# KiCad board loraPanel.kicad_pcb
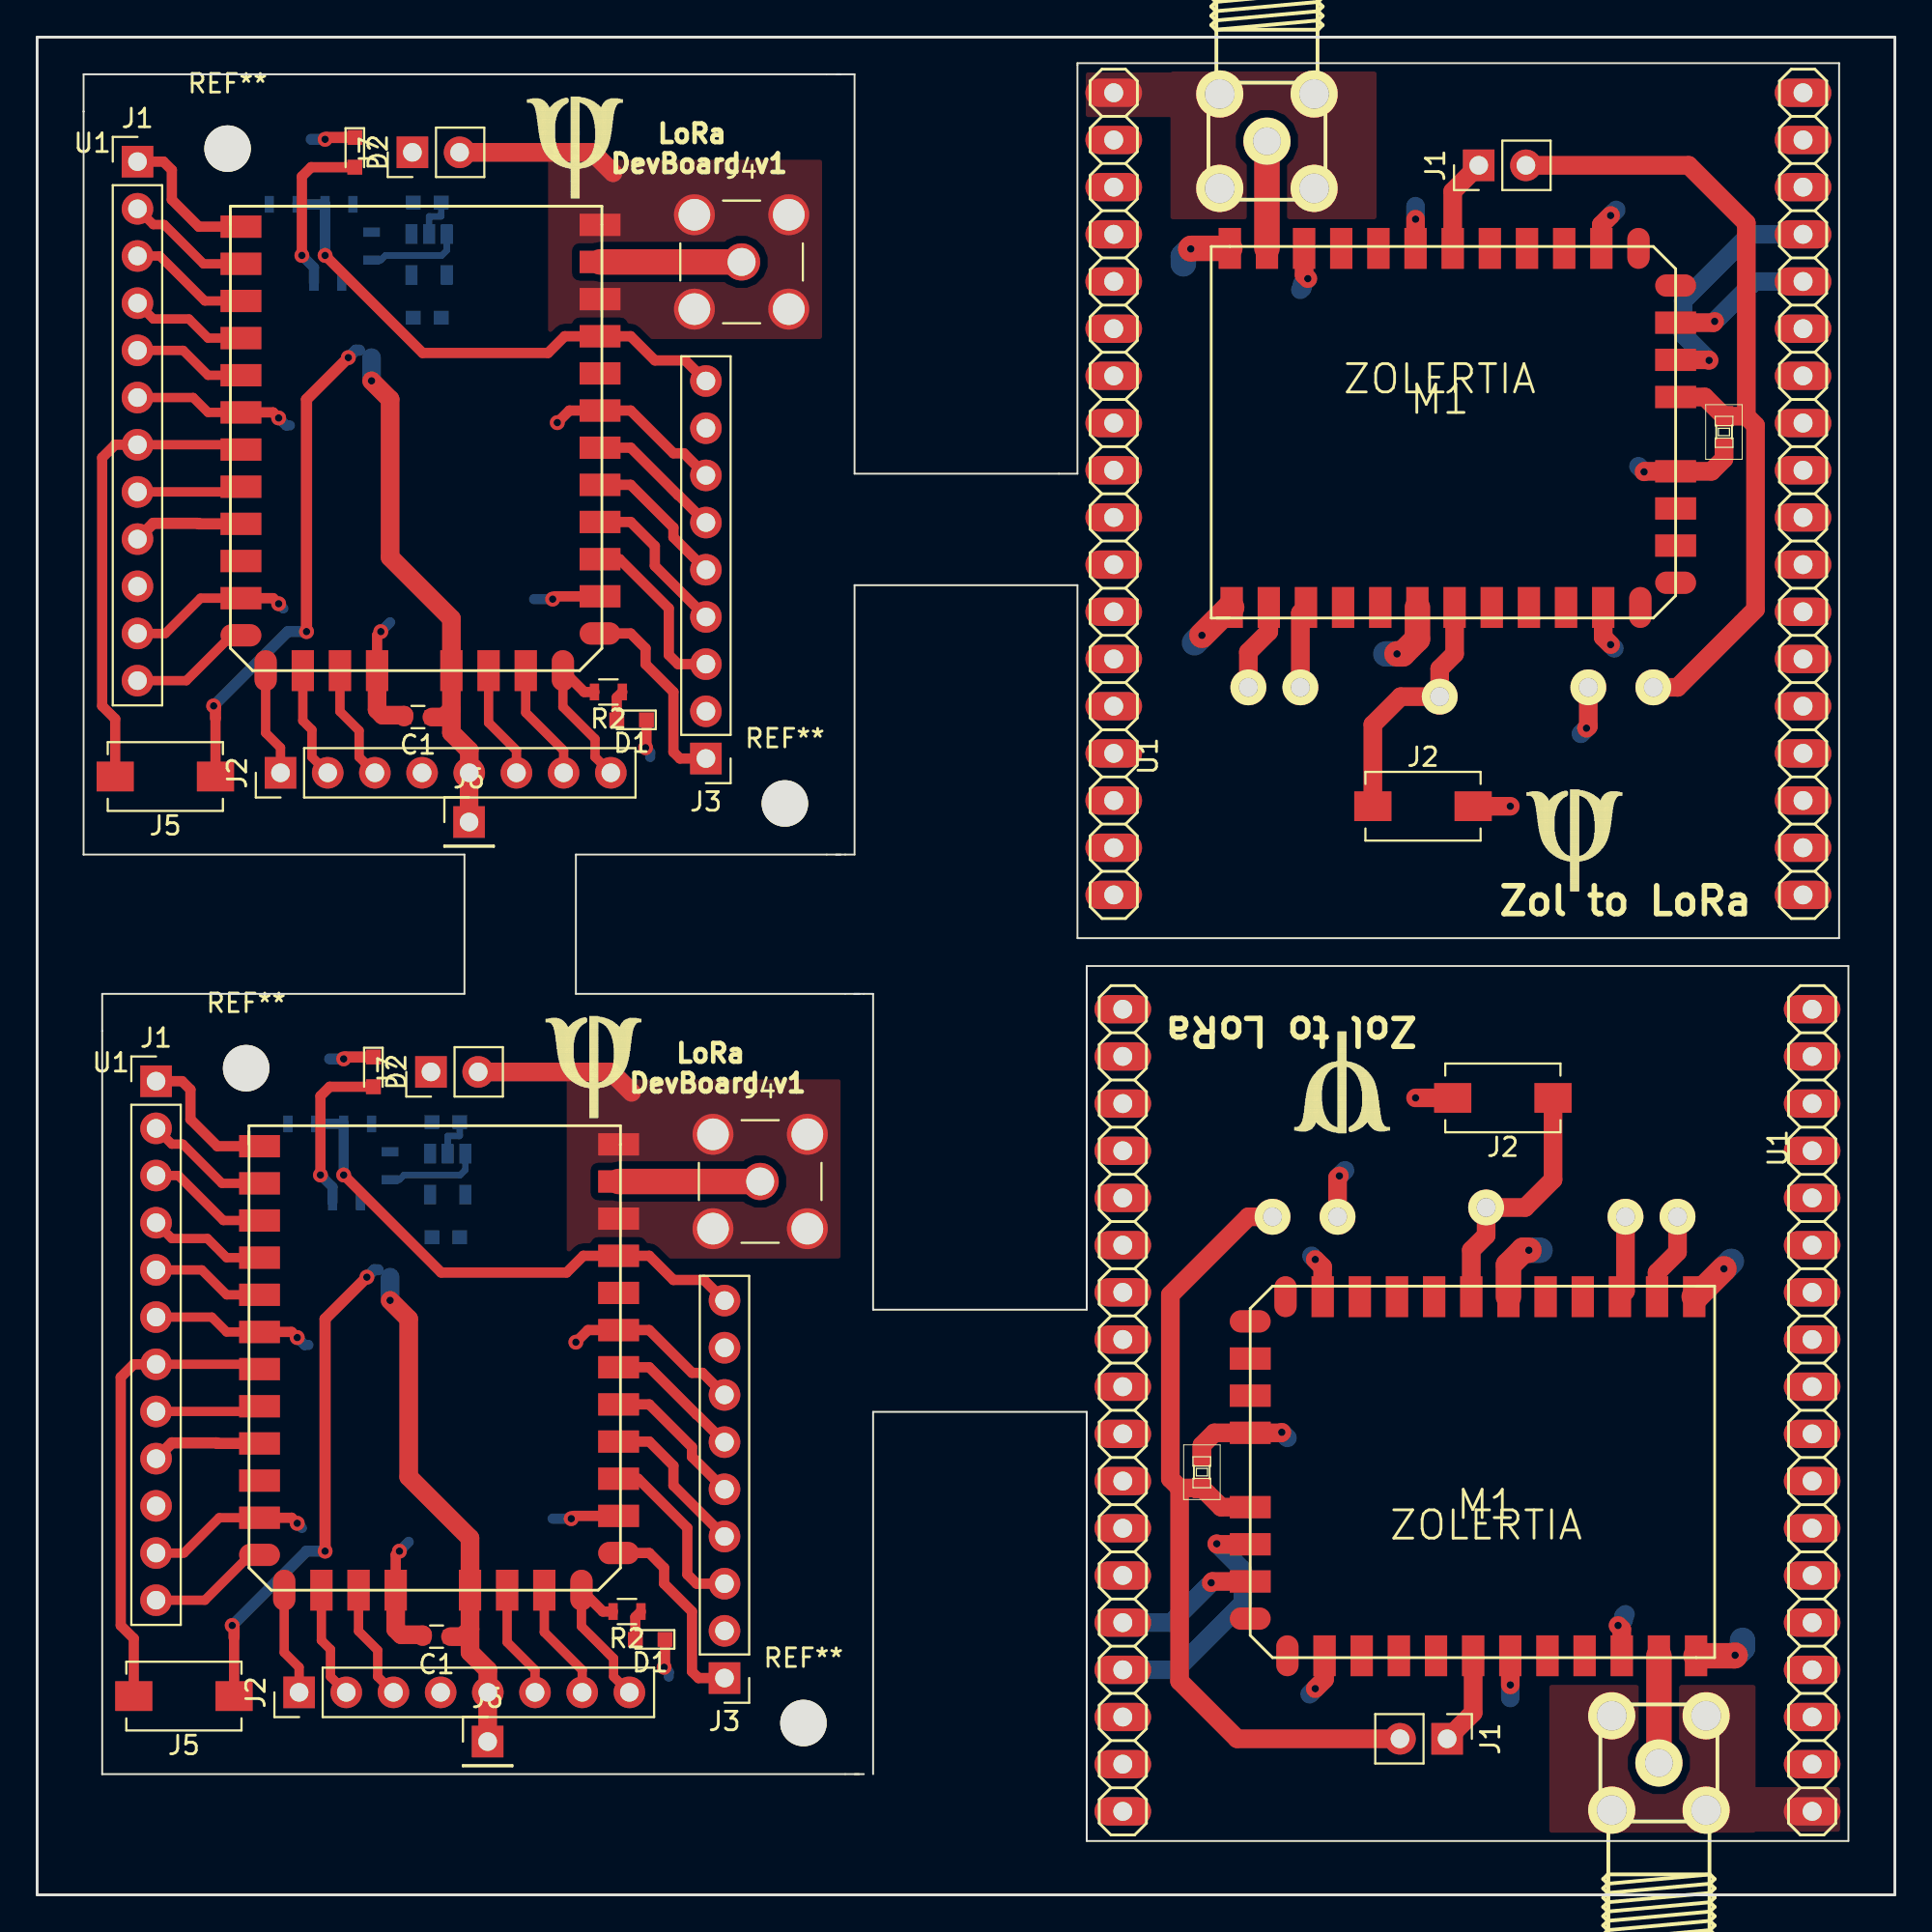
[diagram p0: board, top side]
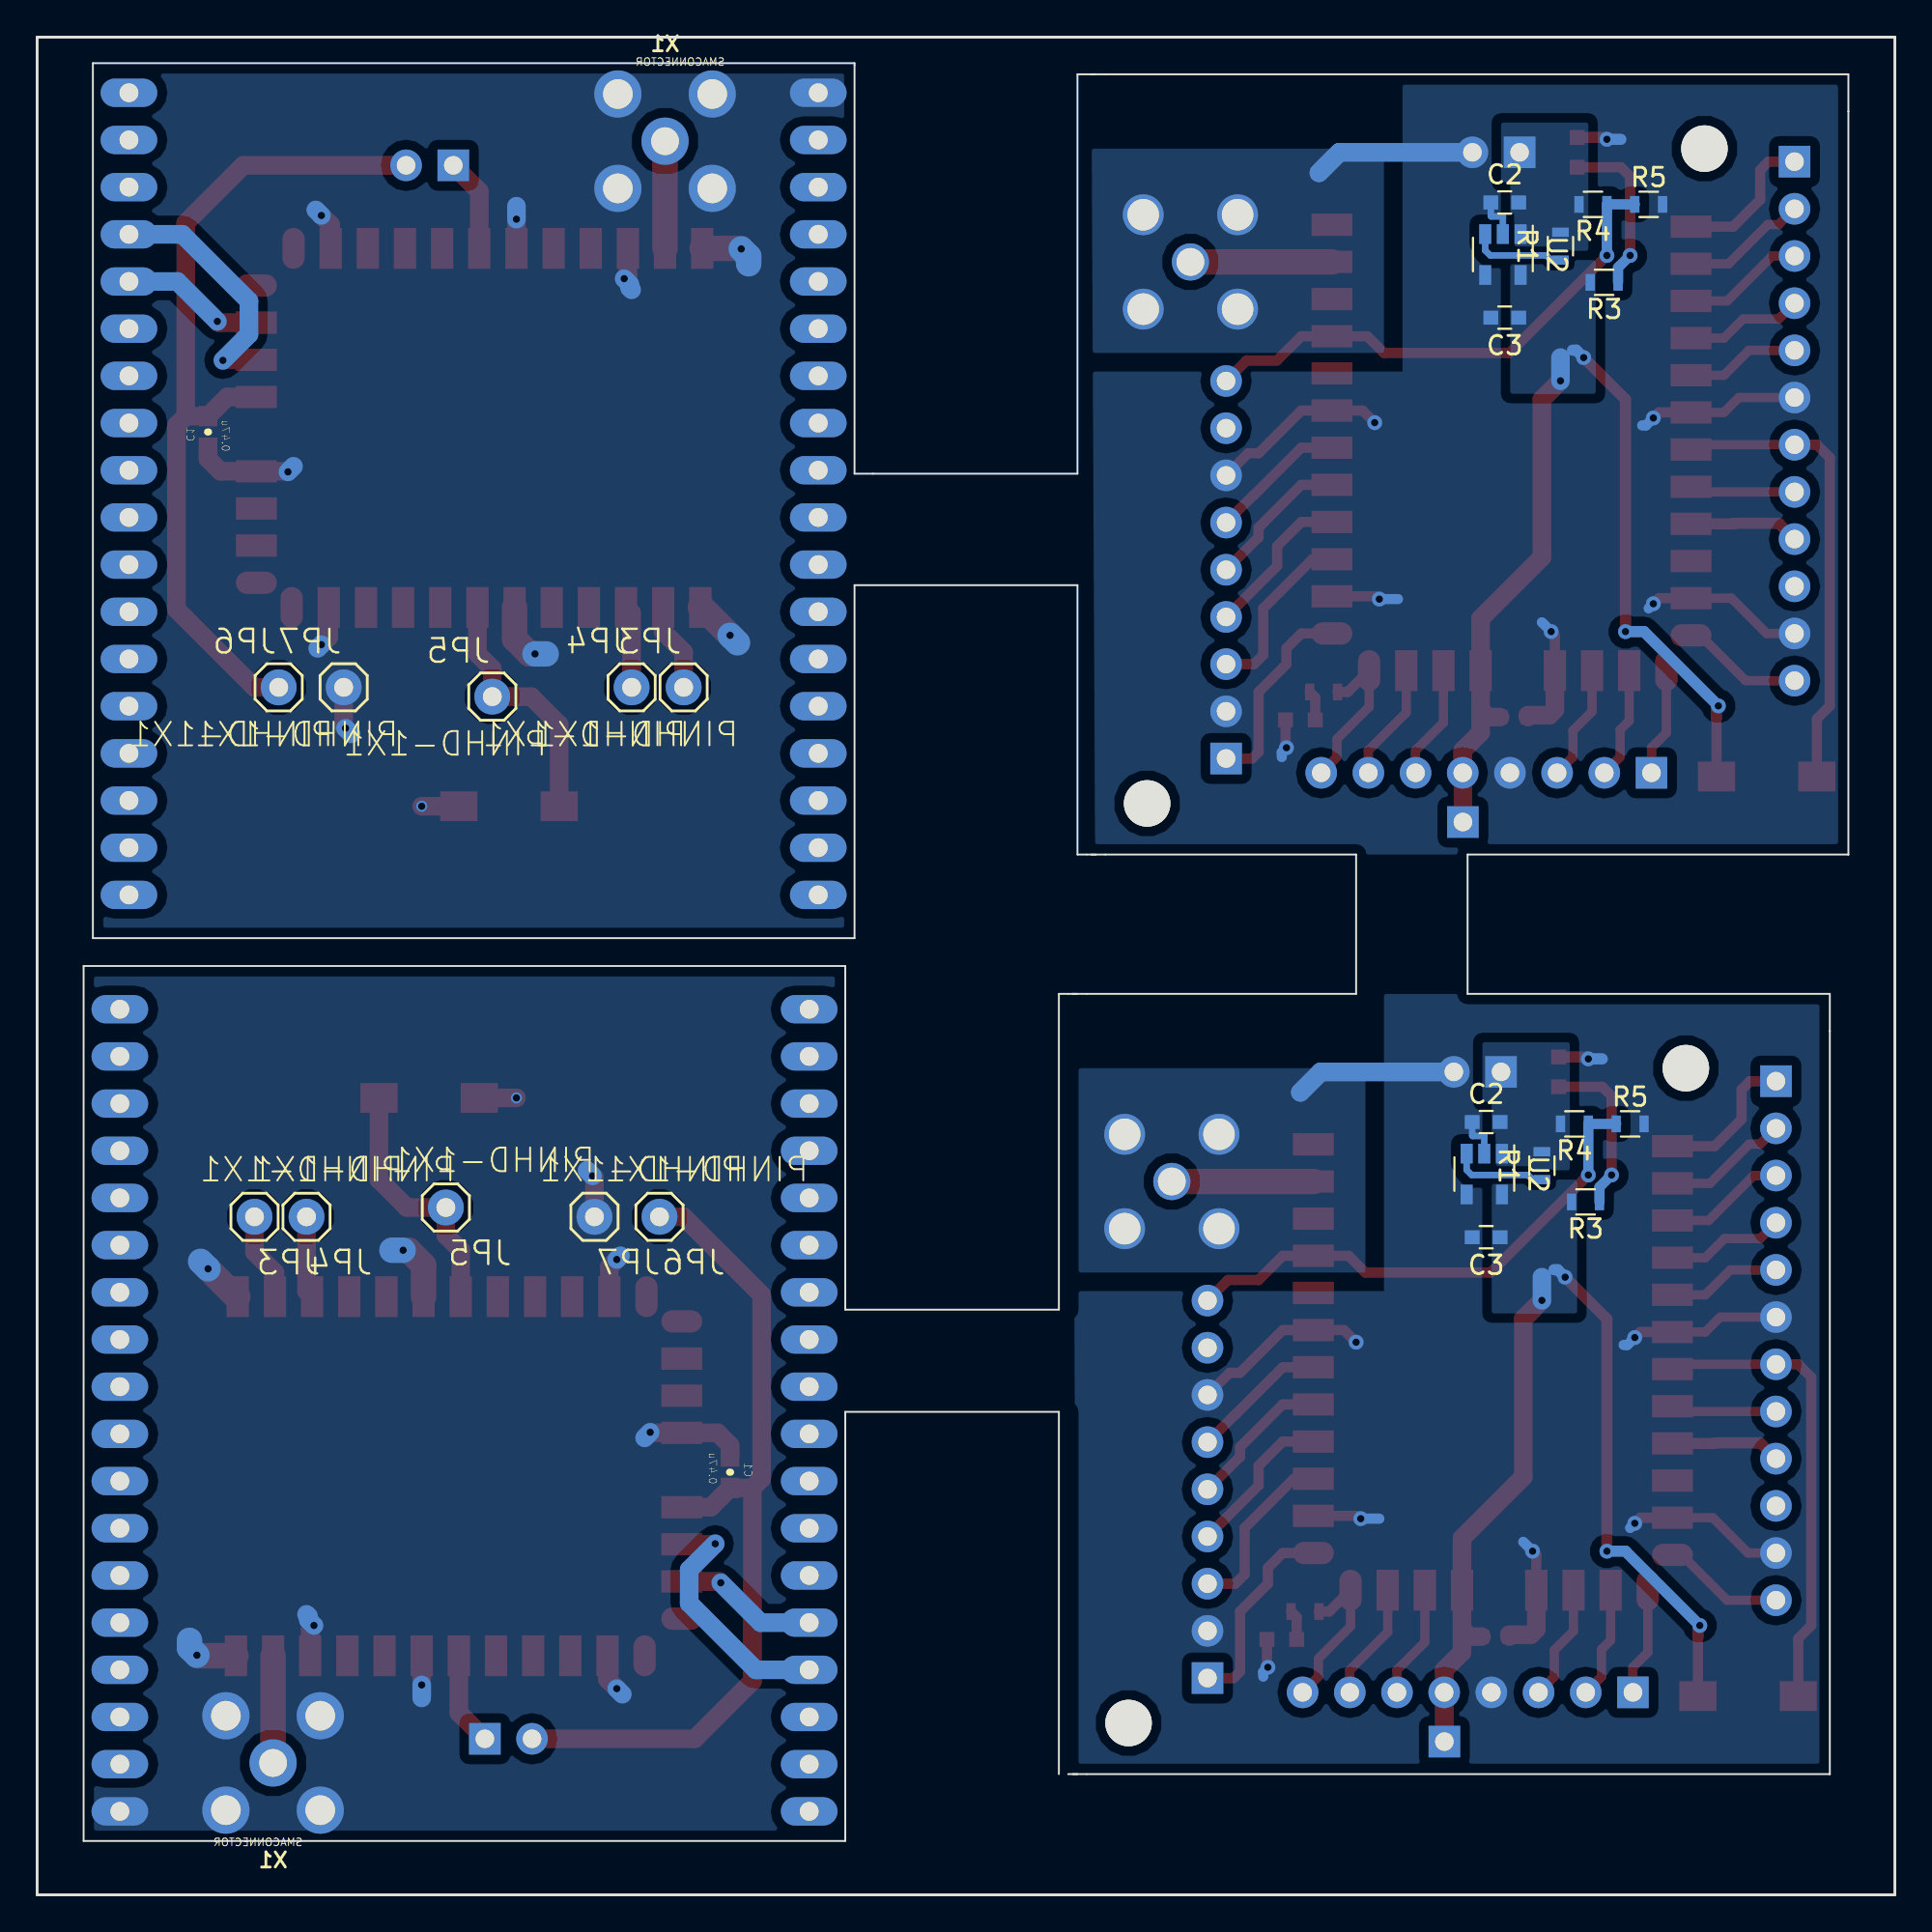
[diagram p1: board, bottom side, seen from below]

Outline 100 x 100 mm; copper layers: Top, Bottom. Coordinates in mm from the lower left corner of the outline.
Outline path: 43.25,98 2.5,98 2.5,56 23,56 23,48.5 3.5,48.5 3.5,6.5 44.25,6.5 ; 43.25,56 29,56 29,48.5 44.25,48.5 ; 43,98 44,98 44,76.5 56,76.5 56,98.6 97,98.6 97,51.5 56,51.5 56,70.5 44,70.5 44,56 43,56 ; 44,48.5 45,48.5 45,31.5 56.5,31.5 56.5,50 97.5,50 97.5,2.9 56.5,2.9 56.5,26 45,26 45,6.5 ; 44,6.5 44.5,6.5 ; 0,100 100,100 100,0 0,0 0,100

## Placement (name value [footprint] x y rotation side)
C1  0.47u  [0603-CAP]  90.8 78.75 270 top
C1#2  0.47u  [0603-CAP]  62.7 22.75 90 top
C1#3  0.1u  [C_0603]  20.5 63.4 180 top
C1#4  0.1u  [C_0603]  21.5 13.9 180 top
C2  1u  [C_0603]  21 91.1 180 bottom
C2#2  1u  [C_0603]  22 41.6 180 bottom
C3  1u  [C_0603]  21 84.9 0 bottom
C3#2  1u  [C_0603]  22 35.4 0 bottom
D1  LED  [LED_0603]  32 63.25 180 top
D1#2  LED  [LED_0603]  33 13.75 180 top
D2  LED  [LED_0603]  17.1 93.8 270 top
D2#2  LED  [LED_0603]  18.1 44.3 270 top
J1  CONN_01X02  [Pin_Header_Straight_1x02_Pitch2.54mm]  77.6 93.1 90 top
J1#2  CONN_01X02  [Pin_Header_Straight_1x02_Pitch2.54mm]  75.9 8.4 270 top
J1#3  CONN_01X12  [Pin_Header_Straight_1x12_Pitch2.54mm]  5.4 93.3 0 top
J1#4  CONN_01X12  [Pin_Header_Straight_1x12_Pitch2.54mm]  6.4 43.8 0 top
J2  CONN_01X02  [SW_SPST_EVQPE1]  74.6 58.6 0 top
J2#2  CONN_01X02  [SW_SPST_EVQPE1]  78.9 42.9 180 top
J2#3  CONN_01X08  [Pin_Header_Straight_1x08_Pitch2.54mm]  13.1 60.4 90 top
J2#4  CONN_01X08  [Pin_Header_Straight_1x08_Pitch2.54mm]  14.1 10.9 90 top
J3  CONN_01X09  [Pin_Header_Straight_1x09_Pitch2.54mm]  36 61.17 180 top
J3#2  CONN_01X09  [Pin_Header_Straight_1x09_Pitch2.54mm]  37 11.67 180 top
J4  CONN_COAXIAL  [SMA_THT_Jack_Straight]  37.92 87.9 0 top
J4#2  CONN_COAXIAL  [SMA_THT_Jack_Straight]  38.92 38.4 0 top
J5  SwitchSPST  [SW_SPST_EVQPE1]  6.9 60.2 180 top
J5#2  SwitchSPST  [SW_SPST_EVQPE1]  7.9 10.7 180 top
J6  CONN_01X01  [Pin_Header_Straight_1x01_Pitch2.54mm]  23.25 57.75 0 top
J6#2  CONN_01X01  [Pin_Header_Straight_1x01_Pitch2.54mm]  24.25 8.25 0 top
J7  PWR  [Pin_Header_Straight_1x02_Pitch2.54mm]  20.2 93.8 90 top
J7#2  PWR  [Pin_Header_Straight_1x02_Pitch2.54mm]  21.2 44.3 90 top
JP3  PINHD-1X1  [1X01]  65.2 65 0 top
JP3#2  PINHD-1X1  [1X01]  88.3 36.5 180 top
JP4  PINHD-1X1  [1X01]  68 65 0 top
JP4#2  PINHD-1X1  [1X01]  85.5 36.5 180 top
JP5  PINHD-1X1  [1X01]  75.5 64.5 0 top
JP5#2  PINHD-1X1  [1X01]  78 37 180 top
JP6  PINHD-1X1  [1X01]  87 65 0 top
JP6#2  PINHD-1X1  [1X01]  66.5 36.5 180 top
JP7  PINHD-1X1  [1X01]  83.5 65 0 top
JP7#2  PINHD-1X1  [1X01]  70 36.5 180 top
LOGO  -  [logo]  26.2 96.8 0 top
LOGO#2  -  [logo]  27.2 47.3 0 top
LOGO#3  -  [logo]  80 59.5 0 top
LOGO#4  -  [logo]  73 41 180 top
M1  ZOLERTIA  [zolertia-ZOLERTIA]  75.5 80.5 0 top
M1#2  ZOLERTIA  [zolertia-ZOLERTIA]  78 21 180 top
R1  10k  [R_0603]  18 88.75 90 bottom
R1#2  10k  [R_0603]  19 39.25 90 bottom
R2  10k  [R_0603]  30.75 64.75 180 top
R2#2  10k  [R_0603]  31.75 15.25 180 top
R3  10k  [R_0603]  15.65 86.8 0 bottom
R3#2  10k  [R_0603]  16.65 37.3 0 bottom
R4  33k  [R_0603]  16.25 91 0 bottom
R4#2  33k  [R_0603]  17.25 41.5 0 bottom
R5  10k  [R_0603]  13.25 91 180 bottom
R5#2  10k  [R_0603]  14.25 41.5 180 bottom
REF**  -  [MountingHole_2.5mm]  40.25 58.75 0 top
REF**#2  -  [MountingHole_2.5mm]  41.25 9.25 0 top
REF**#3  -  [MountingHole_2.5mm]  10.25 94 0 top
REF**#4  -  [MountingHole_2.5mm]  11.25 44.5 0 top
U1  -  [im880b]  64.3 69.3 90 top
U1#2  -  [im880b]  89.2 32.2 270 top
U1#3  -  [im880b]  10.97 89.8 0 top
U1#4  -  [im880b]  11.97 40.3 0 top
U2  LDO-TPS78233  [SOT-23-5]  21.1 88.3 270 bottom
U2#2  LDO-TPS78233  [SOT-23-5]  22.1 38.8 270 bottom
X1  SMACONNECTOR  [SMA90_DIP]  66.2 94.4 0 top
X1#2  SMACONNECTOR  [SMA90_DIP]  87.3 7.1 180 top

## Footprints (pads in the part's own frame, mm; a bottom-side part is the same pattern mirrored in y, then rotated)
1X01
  round 1.93 hole 1.016: 1(0,0)
0603-CAP
  rect 1.1x0.998 smd: 1(-0.848,0) 2(0.848,0)
C_0603
  rect 0.8x0.75 smd: 1(-0.75,0) 2(0.75,0)
im880b
  rect 2.2x1.2 smd: 1(0,0) 2(0,-2) 3(0,-4) 4(0,-6) 5(0,-8) 6(0,-10) 7(0,-12) 8(0,-14) 9(0,-16) 10(0,-18) 11(0,-20) 22(19.33,-19.9) 23(19.33,-17.9) 24(19.33,-15.9) 25(19.33,-13.9) 26(19.33,-11.9) 27(19.33,-9.9) 28(19.33,-7.9) 29(19.33,-5.9) 30(19.33,-3.9) 31(19.33,-1.9) 32(19.33,0.1)
  oval 2.2x1.2 smd: 12(0,-22) 21(19.33,-21.9)
  oval 1.2x2.2 smd: 13(1.33,-23.9) 20(17.33,-23.9)
  rect 1.2x2.2 smd: 14(3.33,-23.9) 15(5.33,-23.9) 16(7.33,-23.9) 17(11.33,-23.9) 18(13.33,-23.9) 19(15.33,-23.9)
LED_0603
  rect 0.8x0.8 smd: 1(-0.8,0) 2(0.8,0)
MountingHole_2.5mm
  round 2.5 hole 2.5 unplated: (0,0)
Pin_Header_Straight_1x01_Pitch2.54mm
  rect 1.7x1.7 hole 1: 1(0,0)
Pin_Header_Straight_1x02_Pitch2.54mm
  rect 1.7x1.7 hole 1: 1(0,0)
  oval 1.7x1.7 hole 1: 2(0,-2.54)
Pin_Header_Straight_1x08_Pitch2.54mm
  rect 1.7x1.7 hole 1: 1(0,0)
  oval 1.7x1.7 hole 1: 2(0,-2.54) 3(0,-5.08) 4(0,-7.62) 5(0,-10.16) 6(0,-12.7) 7(0,-15.24) 8(0,-17.78)
Pin_Header_Straight_1x09_Pitch2.54mm
  rect 1.7x1.7 hole 1: 1(0,0)
  oval 1.7x1.7 hole 1: 2(0,-2.54) 3(0,-5.08) 4(0,-7.62) 5(0,-10.16) 6(0,-12.7) 7(0,-15.24) 8(0,-17.78) 9(0,-20.32)
Pin_Header_Straight_1x12_Pitch2.54mm
  rect 1.7x1.7 hole 1: 1(0,0)
  oval 1.7x1.7 hole 1: 2(0,-2.54) 3(0,-5.08) 4(0,-7.62) 5(0,-10.16) 6(0,-12.7) 7(0,-15.24) 8(0,-17.78) 9(0,-20.32) 10(0,-22.86) 11(0,-25.4) 12(0,-27.94)
R_0603
  rect 0.5x0.9 smd: 1(-0.75,0) 2(0.75,0)
SMA90_DIP
  round 2.54 hole 1.499: ANTE(0,0)
  round 2.54 hole 1.598: GND1(-2.54,2.54) GND2(2.54,2.54) GND3(-2.54,-2.54) GND4(2.54,-2.54)
SMA_THT_Jack_Straight
  round 2 hole 1.5: 1(0,0)
  round 2.2 hole 1.7: 2(-2.54,2.54) 2(-2.54,-2.54) 2(2.54,2.54) 2(2.54,-2.54)
SOT-23-5
  rect 1.06x0.65 smd: 1(-1.1,0.95) 2(-1.1,0) 3(-1.1,-0.95) 4(1.1,-0.95) 5(1.1,0.95)
SW_SPST_EVQPE1
  rect 2x1.6 smd: 1(-2.7,0) 2(2.7,0)
zolertia-ZOLERTIA
  oval 3.048x1.524 hole 1.016: 1(-17.549,16.51) 2(-17.549,13.97) 3(-17.549,11.43) 4(-17.549,8.89) 5(-17.549,6.35) 6(-17.549,3.81) 7(-17.549,1.27) 8(-17.549,-1.27) 9(-17.549,-3.81) 10(-17.549,-6.35) 11(-17.549,-8.89) 12(-17.549,-11.43) 13(-17.549,-13.97) 14(-17.549,-16.51) 15(-17.549,-19.05) 16(-17.549,-21.59) 17(-17.549,-24.13) 18(-17.549,-26.67) 19(19.558,-26.67) 20(19.558,-24.13) 21(19.558,-21.59) 22(19.558,-19.05) 23(19.558,-16.51) 24(19.558,-13.97) 25(19.558,-11.43) 26(19.558,-8.89) 27(19.558,-6.35) 28(19.558,-3.81) 29(19.558,-1.27) 30(19.558,1.27) 31(19.558,3.81) 32(19.558,6.35) 33(19.558,8.89) 34(19.558,11.43) 35(19.558,13.97) 36(19.558,16.51)

## Nets
+3V3: C1#3.1 C1#4.1 C3.1 C3#2.1 J2#3.5 J2#4.5 J5.1 J5#2.1 J6.1 J6#2.1 R3.2 R3#2.2 U1#3.17 U1#4.17 U2.5 U2#2.5
/3V3: C1.1 C1#2.1 J1.2 J1#2.2 JP6.1 JP6#2.1 U1.17 U1#2.17
GND: C1.2 C1#2.2 C1#3.2 C1#4.2 C2.1 C2#2.1 C3.2 C3#2.2 D1.1 D1#2.1 D2.1 D2#2.1 J1#3.6 J1#3.11 J1#4.6 J1#4.11 J2.2 J2#2.2 J2#3.4 J2#4.4 J3.2 J3.7 J3#2.2 J3#2.7 J4.2 J4#2.2 J7.2 J7#2.2 JP7.1 JP7#2.1 M1.1 M1#2.1 R5.2 R5#2.2 U1.1 U1.6 U1.11 U1.16 U1.22 U1.27 U1.30 U1.32 U1#2.1 U1#2.6 U1#2.11 U1#2.16 U1#2.22 U1#2.27 U1#2.30 U1#2.32 U1#3.6 U1#3.11 U1#3.16 U1#3.22 U1#3.27 U1#3.30 U1#3.32 U1#4.6 U1#4.11 U1#4.16 U1#4.22 U1#4.27 U1#4.30 U1#4.32 U2.2 U2.4 U2#2.2 U2#2.4 X1.GND1 X1.GND2 X1.GND3 X1.GND4 X1#2.GND1 X1#2.GND2 X1#2.GND3 X1#2.GND4
+BATT: C2.2 C2#2.2 J7.1 J7#2.1 R1.2 R1#2.2 R4.2 R4#2.2 U2.1 U2#2.1
/1: J1#3.1 J1#4.1 U1#3.1 U1#4.1
/2: J1#3.2 J1#4.2 U1#3.2 U1#4.2
/3: J1#3.3 J1#4.3 U1#3.3 U1#4.3
/4: J1#3.4 J1#4.4 U1#3.4 U1#4.4
/5: J1#3.5 J1#4.5 U1#3.5 U1#4.5
/7: J1#3.7 J1#4.7 J5.2 J5#2.2 U1#3.7 U1#4.7
/8: J1#3.8 J1#4.8 U1#3.8 U1#4.8
/9: J1#3.9 J1#4.9 U1#3.9 U1#4.9
/12: J1#3.12 J1#4.12 U1#3.12 U1#4.12
/13: J2#3.1 J2#4.1 U1#3.13 U1#4.13
/14: J2#3.2 J2#4.2 U1#3.14 U1#4.14
/15: J2#3.3 J2#4.3 U1#3.15 U1#4.15
/18: J2#3.6 J2#4.6 U1#3.18 U1#4.18
/19: J2#3.7 J2#4.7 U1#3.19 U1#4.19
/20: J2#3.8 J2#4.8 R2.2 R2#2.2 U1#3.20 U1#4.20
/21: J3.1 J3#2.1 U1#3.21 U1#4.21
/23: J3.3 J3#2.3 U1#3.23 U1#4.23
/24: J3.4 J3#2.4 U1#3.24 U1#4.24
/25: J3.5 J3#2.5 U1#3.25 U1#4.25
/26: J3.6 J3#2.6 U1#3.26 U1#4.26
/29: J3.9 J3#2.9 R4.1 R4#2.1 R5.1 R5#2.1 U1#3.29 U1#4.29
/BOOT: J1.1 J1#2.1 U1.26 U1#2.26
/JTCK: JP3.1 JP3#2.1 U1.2 U1#2.2
/JTMS: JP4.1 JP4#2.1 U1.3 U1#2.3
/RESET: J2.1 J2#2.1 JP5.1 JP5#2.1 U1.7 U1#2.7
/RF: J4.1 J4#2.1 U1.31 U1#2.31 U1#3.31 U1#4.31 X1.ANTE X1#2.ANTE
/RXD: M1.33 M1#2.33 U1.18 U1#2.18
/TXD: M1.32 M1#2.32 U1.19 U1#2.19
Net-(D1-Pad2): D1.2 D1#2.2 R2.1 R2#2.1
Net-(D2-Pad2): D2.2 D2#2.2 R3.1 R3#2.1
Net-(R1-Pad1): R1.1 R1#2.1 U2.3 U2#2.3

Pads without a net: J1#3 10; J1#4 10; J3 8; J3#2 8; M1 2 3 4 5 6 7 8 9 10 11 12 13 14 15 16 17 18 19 20 21 22 23 24 25 26 27 28 29 30 31 34 35 36; M1#2 2 3 4 5 6 7 8 9 10 11 12 13 14 15 16 17 18 19 20 21 22 23 24 25 26 27 28 29 30 31 34 35 36; U1 4 5 8 9 10 12 13 14 15 20 21 23 24 25 28 29; U1#2 4 5 8 9 10 12 13 14 15 20 21 23 24 25 28 29; U1#3 10 28; U1#4 10 28

## Via types
v1: diameter 0.8, hole 0.4, Top to Bottom, 26 vias
v2: diameter 0.6, hole 0.4, Top to Bottom, 24 vias

## Routing (per net, layer and track width the routed paths; a pad name or vN(x,y) marks a point on that pad's centre or on a via; arc(x,y) is an arc through that point)
+3V3: length 110.7
  Top w0.55: J5.1 9.6,63.35 ; J5#2.1 10.6,13.85
  Top w0.6: v1(17.75,33.25) 15.5,31 v1(15.5,18.5) ; v1(10.5,14.5) 10.6,14.4 10.6,13.85 ; v1(9.5,64) 9.6,63.9 9.6,63.35 ; v1(16.75,82.75) 14.5,80.5 v1(14.5,68)
  Top w1: J6.1 23.25,60.39 J2#3.5 23.26,61.6 22.3,62.56 22.3,63.8 ; C1#4.1 22.9,13.9 23.3,14.3 ; 23.3,14.3 U1#4.17 23.3,19.2 20,22.5 20,31 v1(19,32) ; 23.3,14.3 23.3,13.06 24.26,12.1 J2#4.5 24.25,10.89 J6#2.1 ; C1#3.1 21.9,63.4 22.3,63.8 ; 22.3,63.8 U1#3.17 22.3,68.7 19,72 19,80.5 v1(18,81.5)
  Bottom w0.6: v1(16.75,82.75) 17.15,83.15 17.35,83.15 ; 18.35,33.65 18.15,33.65 v1(17.75,33.25) ; v1(9.5,64) 13.5,68 v1(14.5,68) ; v1(10.5,14.5) 14.5,18.5 v1(15.5,18.5)
  Bottom w1: 19,33.25 v1(19,32) ; 18,82.75 v1(18,81.5)
/3V3: length 91.2
  Top w1: 61.5,21.9 C1#2.1 63.73,20.87 U1#2.17 ; 61.5,21.9 61.5,11.5 64.6,8.4 J1#2.2 ; 61.5,21.9 61,22.4 61,32.3 65.2,36.5 JP6#2.1 ; JP6.1 88.3,65 92.5,69.2 92.5,79.1 92,79.6 ; 92,79.6 C1.1 89.77,80.63 U1.17 ; 92,79.6 92,90 88.9,93.1 J1.2
GND: length 186.7
  Top w0.5: U1#4.11 9.8,20.3 7.9,18.4 J1#4.11 ; U1#3.11 8.8,69.8 6.9,67.9 J1#3.11 ; J1#4.6 9.4,31.1 10.2,30.3 U1#4.6 ; J1#3.6 8.4,80.6 9.2,79.8 U1#3.6
  Top w0.55: v1(19.5,18.5) 19.3,18.3 U1#4.16 ; U1#4.22 28.9,20.4 v1(28.75,20.25) ; v1(18.5,68) 18.3,67.8 U1#3.16 ; v1(27.75,69.75) 27.9,69.9 U1#3.22 ; J3.7 34.81,77.6 34.25,77.6 31.95,79.9 U1#3.27 28.65,79.9 v1(28,79.25) ; D1.1 32.8,61.8 v1(32.75,61.75) ; v1(13,79.5) 12.7,79.8 U1#3.6 ; D1#2.1 33.8,12.3 v1(33.75,12.25) ; v1(29,29.75) 29.65,30.4 U1#4.27 32.95,30.4 35.25,28.1 35.81,28.1 J3#2.7 ; U1#4.11 13.7,20.3 v1(14,20) ; U1#3.11 12.7,69.8 v1(13,69.5) ; U1#4.6 13.7,30.3 v1(14,30)
  Top w0.6: D2#2.1 16.6,45.1 v1(16.5,45) ; D2.1 15.6,94.6 v1(15.5,94.5)
  Top w1: 31,92.7 29.9,93.8 J7.2 ; 32,43.2 30.9,44.3 J7#2.2 ; U1#2.27 v2(79.3,11.3) ; v2(83.4,62.8) 83.5,62.9 JP7.1 ; U1.22 84.2,89.9 v2(84.7,90.4) ; v2(67,24.9) 66.97,24.87 U1#2.16 63.37,24.87 62.7,24.2 C1#2.2 ; U1#2.30 85.3,14.3 v2(85.1,14.5) ; C1#4.2 20.75,14 19.6,14 19.3,14.3 U1#4.16 ; J2#2.2 v2(74.2,42.9) ; v2(68.8,11.1) 69.3,11.6 U1#2.22 ; U1.11 84.3,67.7 v2(84.7,67.3) ; JP7#2.1 70,38.6 v2(70.1,38.7) ; U1#3.16 18.3,63.8 18.6,63.5 19.75,63.5 C1#3.2 ; J2.2 v2(79.3,58.6) ; v2(86.5,76.6) 86.53,76.63 U1.16 90.13,76.63 90.8,77.3 C1.2 ; U1.27 v2(74.2,90.2) ; v2(68.4,87) 68.2,87.2 U1.30 ; U1#2.11 69.2,33.8 v2(68.8,34.2)
  Top w1.37: v2(62.1,88.6) 62.13,88.63 U1.32 ; v2(91.4,12.9) 91.37,12.87 U1#2.32 ; U1#2.1 89.3,32.2 v2(90.8,33.7) ; U1#2.6 79.2,33.9 80,34.7 v2(80.3,34.7) ; U1.1 64.2,69.3 v2(62.7,67.8) ; U1.6 74.3,67.6 73.5,66.8 v2(73.2,66.8)
  Bottom w0.35: C2#2.1 22.75,40.88 22.72,40.85 22.1,40.85 U2#2.2 ; U2.2 21.1,90.35 21.72,90.35 21.75,90.38 C2.1
  Bottom w0.55: v1(28.75,20.25) 27.75,20.25 ; v1(32.75,61.75) 33,61.5 33,61.25 ; 13.6,79.1 13.4,79.1 v1(13,79.5) ; v1(14,20) 14.25,19.75 ; v1(13,69.5) 13.25,69.25 ; 34,11.75 34,12 v1(33.75,12.25) ; v1(27.75,69.75) 26.75,69.75 ; v1(18.5,68) 19,68.5 ; v1(19.5,18.5) 20,19 ; 14.6,29.6 14.4,29.6 v1(14,30)
  Bottom w0.6: v1(16.5,45) 15.75,45 ; v1(15.5,94.5) 14.75,94.5
  Bottom w1: 29.9,93.8 31,92.7 29.9,93.8 ; 29.9,93.8 J7.2 23.1,93.8 ; 30.9,44.3 32,43.2 30.9,44.3 ; 30.9,44.3 J7#2.2 24.1,44.3 ; v2(79.3,11.3) 79.3,10.6 ; 83.1,62.5 v2(83.4,62.8) ; 86.2,76.9 v2(86.5,76.6) ; 84.9,67.1 v2(84.7,67.3) ; 68.6,34.4 v2(68.8,34.2) ; v2(85.1,14.5) 85.4,14.8 85.4,15 85.5,15.1 ; 68.5,10.8 v2(68.8,11.1) ; v2(74.2,90.2) 74.2,90.9 ; 70.4,39 v2(70.1,38.7) ; 85,90.7 v2(84.7,90.4) ; 67.3,24.6 v2(67,24.9) ; v2(68.4,87) 68.1,86.7 68.1,86.5 68,86.4
  Bottom w1.37: v2(62.1,88.6) 61.7,88.2 61.7,87.8 ; v2(91.4,12.9) 91.8,13.3 91.8,13.7 ; v2(73.2,66.8) 72.6,66.8 ; 91.2,34.1 v2(90.8,33.7) ; 62.3,67.4 v2(62.7,67.8) ; v2(80.3,34.7) 80.9,34.7
/1: length 15.9
  Top w0.55: J1#3.1 6.8,93.3 7.25,92.85 7.25,91.25 8.7,89.8 U1#3.1 ; U1#4.1 9.7,40.3 8.25,41.75 8.25,43.35 7.8,43.8 J1#4.1
/2: length 14.6
  Top w0.5: J1#4.2 7.25,40.41 7.84,40.41 9.95,38.3 U1#4.2 11.47,38.3 ; J1#3.2 6.25,89.91 6.84,89.91 8.95,87.8 U1#3.2 10.47,87.8
/3: length 14.1
  Top w0.5: J1#4.3 7.6,38.72 10.02,36.3 U1#4.3 11.47,36.3 ; J1#3.3 6.6,88.22 9.02,85.8 U1#3.3 10.47,85.8
/4: length 12.7
  Top w0.5: J1#3.4 6.25,84.83 8.17,84.83 9.2,83.8 U1#3.4 ; U1#4.4 10.2,34.3 9.17,35.33 7.25,35.33 J1#4.4
/5: length 12.3
  Top w0.5: U1#3.5 9.2,81.8 7.86,83.14 J1#3.5 ; J1#4.5 8.86,33.64 10.2,32.3 U1#4.5
/7: length 50.6
  Top w0.5: J1#4.7 11.71,28.56 U1#4.7 ; U1#3.7 10.71,78.06 J1#3.7
  Top w0.55: J1#4.7 5.2,28.56 4.5,27.86 4.5,14.5 5.2,13.8 J5#2.2 ; J1#3.7 4.2,78.06 3.5,77.36 3.5,64 4.2,63.3 J5.2
/8: length 11.4
  Top w0.5: U1#3.8 10.69,75.52 J1#3.8 ; J1#4.8 11.69,26.02 U1#4.8
/9: length 11.9
  Top w0.6: J1#4.9 7.25,24.33 9.67,24.33 9.7,24.3 U1#4.9 ; U1#3.9 8.7,73.8 8.67,73.83 6.25,73.83 J1#3.9
/12: length 13.2
  Top w0.5: J1#3.12 8.03,65.36 10.47,67.8 U1#3.12 ; U1#4.12 11.47,18.3 9.03,15.86 J1#4.12
/13: length 11.7
  Top w0.5: J2#4.1 14.1,12.25 13.3,13.05 U1#4.13 ; J2#3.1 13.1,61.75 12.3,62.55 U1#3.13
/14: length 12.1
  Top w0.5: U1#4.14 15.3,13.7 15.79,13.21 15.79,11.75 J2#4.2 ; J2#3.2 14.79,61.25 14.79,62.71 14.3,63.2 U1#3.14
/15: length 12.6
  Top w0.5: U1#3.15 16.3,63.7 17.33,62.67 17.33,61.25 J2#3.3 ; J2#4.3 18.33,11.75 18.33,13.17 17.3,14.2 U1#4.15
/18: length 12.2
  Top w0.5: U1#4.18 25.3,13.6 26.8,12.1 J2#4.6 ; U1#3.18 24.3,63.1 25.8,61.6 J2#3.6
/19: length 12.7
  Top w0.5: U1#4.19 27.3,14.14 29.34,12.1 J2#4.7 ; J2#3.7 28.34,61.6 26.3,63.64 U1#3.19
/20: length 17.5
  Top w0.5: U1#3.20 28.3,63.95 30.03,62.22 30.03,61.25 J2#3.8 ; U1#4.20 29.3,14.45 31.03,12.72 31.03,11.75 J2#4.8
  Top w0.55: U1#4.20 30.45,15.25 R2#2.2 ; R2.2 29.45,64.75 U1#3.20
/21: length 21.8
  Top w0.55: J3.1 34.6,61.17 34.25,61.52 34.25,64.75 32.75,66.25 32.75,67.1 31.95,67.9 U1#3.21 ; U1#4.21 32.95,18.4 33.75,17.6 33.75,16.75 35.25,15.25 35.25,12.02 35.6,11.67 J3#2.1
/23: length 19
  Top w0.55: J3.3 34.5,66.25 34,66.75 34,69.25 31.35,71.9 U1#3.23 ; J3#2.3 35.5,16.75 35,17.25 35,19.75 32.35,22.4 U1#4.23
/24: length 16.9
  Top w0.55: U1#4.24 32.95,24.4 34.25,23.1 34.25,22.04 J3#2.4 ; U1#3.24 31.95,73.9 33.25,72.6 33.25,71.54 J3.4
/25: length 15.8
  Top w0.55: U1#4.25 32.95,26.4 35.25,24.1 35.25,23.58 J3#2.5 ; J3.5 34.25,73.08 34.25,73.6 31.95,75.9 U1#3.25
/26: length 14.7
  Top w0.55: J3#2.6 35.52,25.85 35.5,25.85 32.95,28.4 U1#4.26 ; U1#3.26 31.95,77.9 34.5,75.35 34.52,75.35 J3.6
/29: length 57.6
  Top w0.5: 30.8,83.9 U1#3.29 ; 31.8,34.4 U1#4.29
  Top w0.55: J3.9 34.89,82.6 33.25,82.6 31.95,83.9 U1#3.29 28.4,83.9 27.5,83 20.75,83 v1(15.5,88.25) ; J3#2.9 35.89,33.1 34.25,33.1 32.95,34.4 U1#4.29 29.4,34.4 28.5,33.5 21.75,33.5 v1(16.5,38.75)
  Bottom w0.55: R5#2.1 R4#2.1 v1(16.5,38.75) ; R5.1 R4.1 v1(15.5,88.25)
/BOOT: length 10.1
  Top w1: J1.1 76.2,91.7 U1.26 ; U1#2.26 77.3,9.8 J1#2.1
/JTCK: length 9.5
  Top w1: JP3.1 65.2,66.9 66.3,68 U1.2 ; JP3#2.1 88.3,34.6 87.2,33.5 U1#2.2
/JTMS: length 8.8
  Top w1: JP4#2.1 85.5,32.5 U1#2.3 ; U1.3 68,69 JP4.1
/RESET: length 27.5
  Top w1: U1.7 76.3,66.8 75.5,66 JP5.1 73.4,64.5 71.9,63 J2.1 ; U1#2.7 77.2,34.7 78,35.5 JP5#2.1 80.1,37 81.6,38.5 J2#2.1
/RF: length 26.8
  Top w1.37: U1#2.31 X1#2.ANTE ; U1#4.31 J4#2.1 ; U1.31 X1.ANTE ; U1#3.31 J4.1
/RXD: length 27.1
  Top w1: U1.18 89.97,82.63 v2(90,82.6) ; v2(63.5,18.9) 63.53,18.87 U1#2.18
  Bottom w1: v2(90,82.6) 88.6,84 88.6,85.8 92.19,89.39 M1.33 ; M1#2.33 61.31,12.11 64.9,15.7 64.9,17.5 v2(63.5,18.9)
/TXD: length 15.6
  Top w1: v2(63.2,16.8) 63.27,16.87 U1#2.19 ; v2(90.3,84.7) 90.23,84.63 U1.19
  Bottom w1: M1#2.32 61.05,14.65 v2(63.2,16.8) ; v2(90.3,84.7) 92.45,86.85 M1.32
Net-(D1-Pad2): length 3.2
  Top w0.55: D1.2 31.2,64.45 R2.1 ; D1#2.2 32.2,14.95 R2#2.1
Net-(D2-Pad2): length 18.1
  Top w0.55: D2.2 14.75,93 14.25,92.5 v1(14.25,88.25) ; D2#2.2 15.75,43.5 15.25,43 v1(15.25,38.75)
  Bottom w0.55: R3.1 14.9,87.6 v1(14.25,88.25) ; R3#2.1 15.9,38.1 v1(15.25,38.75)
Net-(R1-Pad1): length 10.3
  Bottom w0.35: R1.1 18.5,88 18.75,88.25 21.78,88.25 22.05,88.52 U2.3 ; U2#2.3 23.05,39.02 22.78,38.75 19.75,38.75 19.5,38.5 R1#2.1

## Copper pours and planes (outline as drawn; the poured copper is in the pictures)
+3V3 on Bottom: 16.1,88 20.7,88 20.7,80.8 16.1,80.8
+3V3 on Bottom: 17.1,38.5 21.7,38.5 21.7,31.3 17.1,31.3
GND on Top: 27.5,93.4 42.25,93.4 42.25,83.75 27.5,83.75
GND on Top: 97.2,5.8 89.1,5.8 89.1,3.4 97.2,3.4
GND on Top: 28.5,43.9 43.25,43.9 43.25,34.25 28.5,34.25
GND on Top: 72.1,90.2 72.1,98.5 61,98.5 61,90.2
GND on Top: 81.4,11.3 81.4,3 92.5,3 92.5,11.3
GND on Top: 56.3,95.7 64.4,95.7 64.4,98.1 56.3,98.1
GND on Bottom: 2.7,98 43.25,98 43.05,56 2.5,56
GND on Bottom: 3.7,48.5 44.25,48.5 44.05,6.5 3.5,6.5
GND on Bottom: 56,98.5 97,98.5 97,51.5 56,51.5
GND on Bottom: 97.5,3 56.5,3 56.5,50 97.5,50
+BATT on Bottom: 16.5,95.4 21.2,95.4 21.2,92.2 20.7,92.2 20.7,90.5 20.5,90.5 20.5,88.5 16.5,88.5
+BATT on Bottom: 17.5,45.9 22.2,45.9 22.2,42.7 21.7,42.7 21.7,41 21.5,41 21.5,39 17.5,39

## Text on the board
F.SilkS: LoRa / DevBoard v1 | Zol to LoRa
